# KiCad board CI01.kicad_pcb
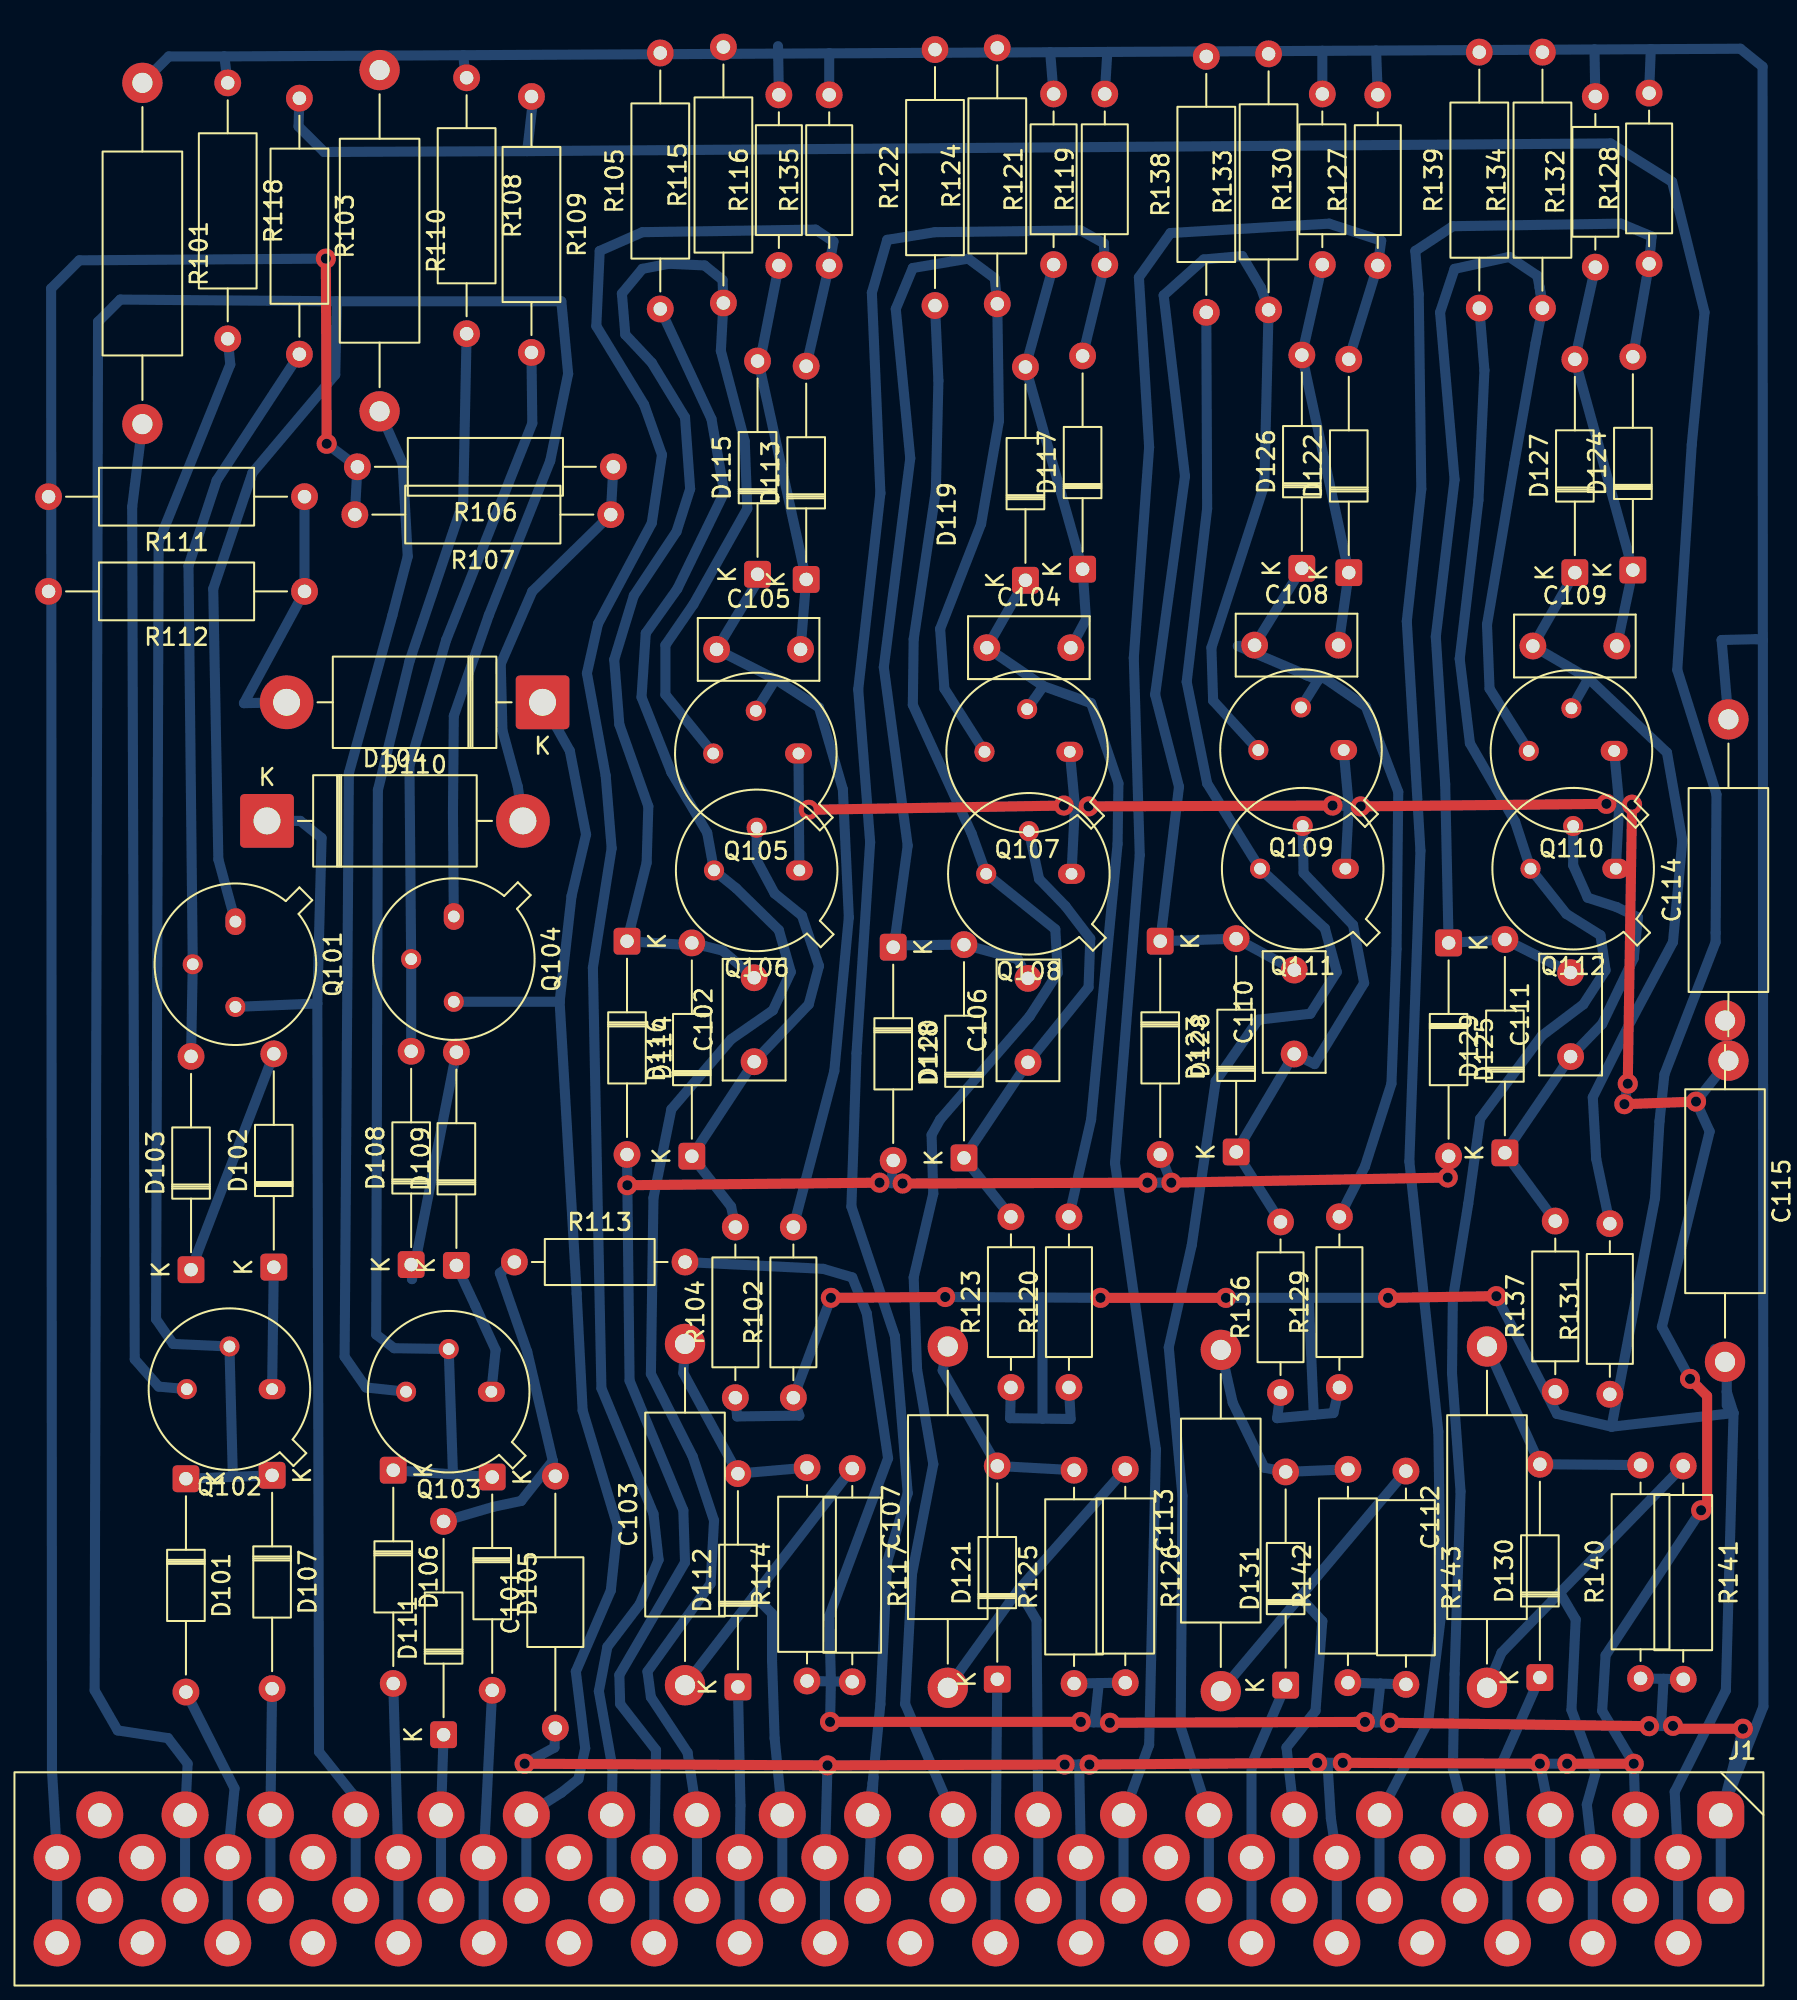
[diagram p0: board, top side]
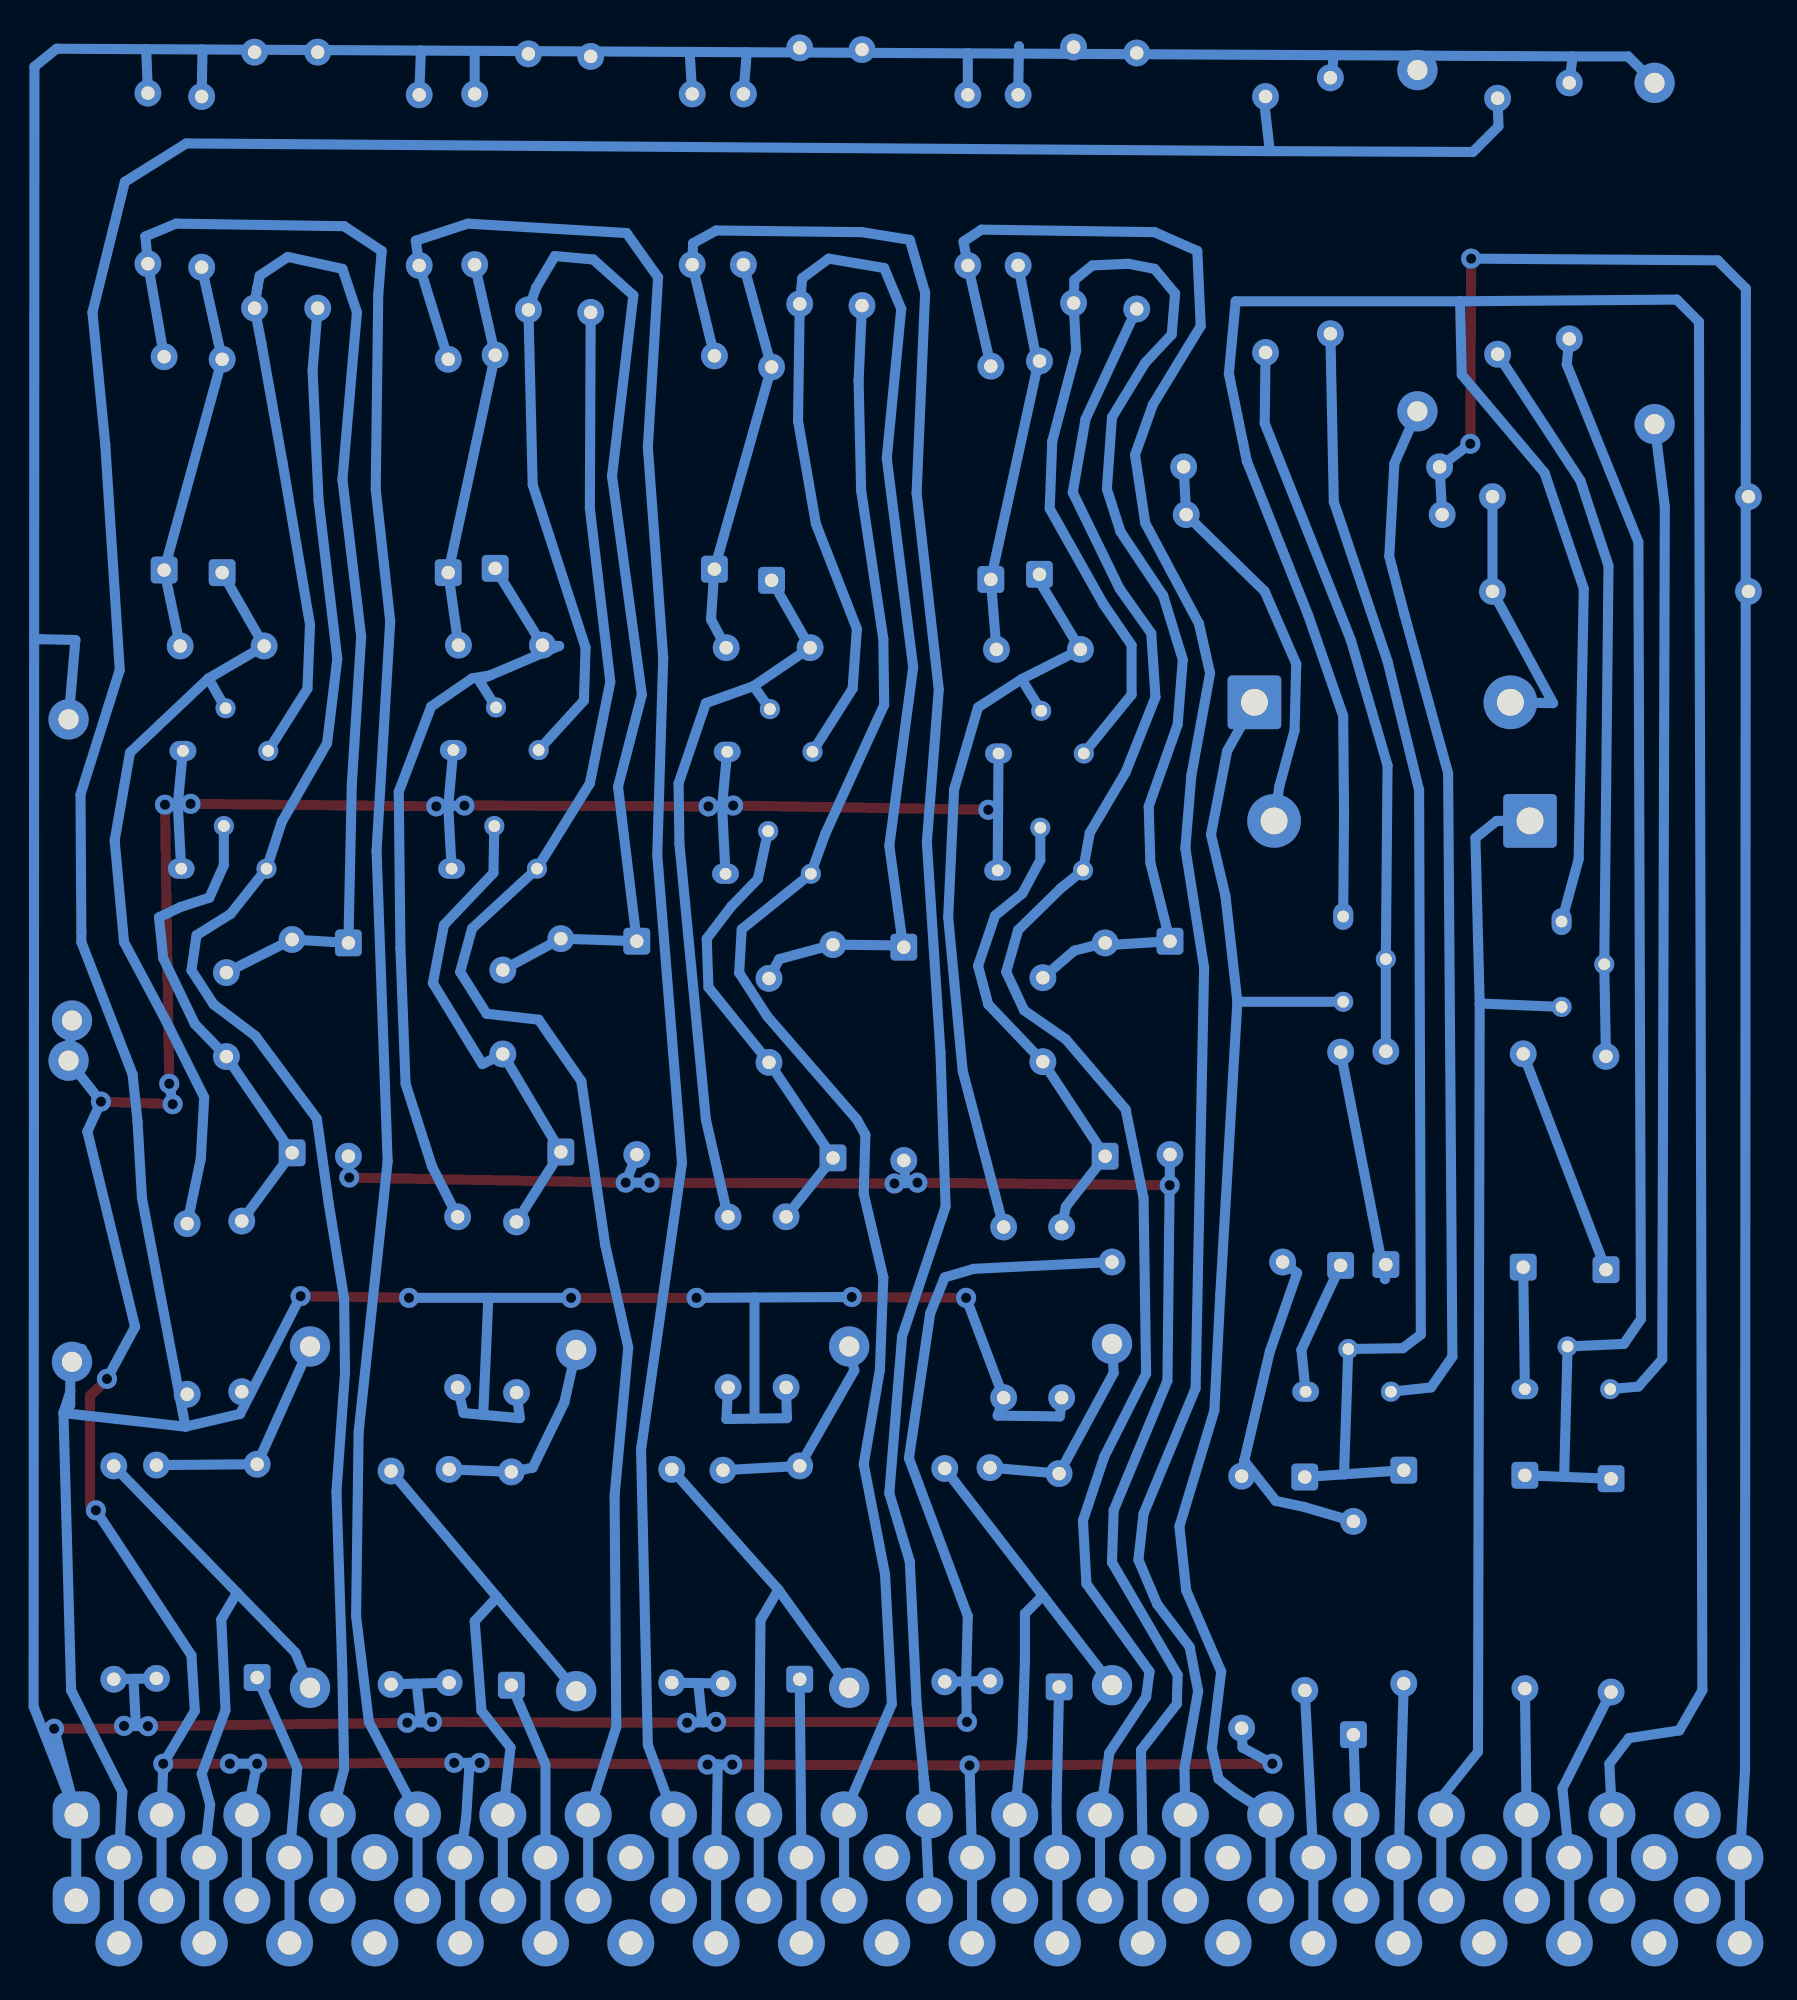
[diagram p1: board, bottom side, seen from below]

No outline. copper layers: Top, Bottom. Coordinates in mm from the lowest, leftmost part position.

## Placement (name value [footprint] x y rotation side)
C101  60u  [C_Axial_L5.1mm_D3.1mm_P15.00mm_Horizontal]  24.59 5.17 90 top
C102  ?  [C_Rect_L7.0mm_W3.5mm_P5.00mm]  36.42 44.85 90 top
C103  2.7nF  [R_Axial_DIN0414_L11.9mm_D4.5mm_P20.32mm_Horizontal]  32.31 7.72 90 top
C104  ?  [C_Rect_L7.0mm_W3.5mm_P5.00mm]  50.28 69.49 0 top
C105  ?  [C_Rect_L7.0mm_W3.5mm_P5.00mm]  34.19 69.39 0 top
C106  ?  [C_Rect_L7.0mm_W3.5mm_P5.00mm]  52.73 44.81 90 top
C107  2.7nF  [R_Axial_DIN0414_L11.9mm_D4.5mm_P20.32mm_Horizontal]  47.96 7.57 90 top
C108  ?  [C_Rect_L7.0mm_W3.5mm_P5.00mm]  66.22 69.65 0 top
C109  ?  [C_Rect_L7.0mm_W3.5mm_P5.00mm]  82.79 69.6 0 top
C110  ?  [C_Rect_L7.0mm_W3.5mm_P5.00mm]  68.58 45.3 90 top
C111  ?  [C_Rect_L7.0mm_W3.5mm_P5.00mm]  85.04 45.15 90 top
C112  2.7nF  [R_Axial_DIN0414_L11.9mm_D4.5mm_P20.32mm_Horizontal]  80.06 7.57 90 top
C113  2.7nF  [R_Axial_DIN0414_L11.9mm_D4.5mm_P20.32mm_Horizontal]  64.21 7.37 90 top
C114  100nF  [R_Axial_DIN0414_L11.9mm_D4.5mm_P20.32mm_Horizontal]  94.44 44.91 90 top
C115  100nF  [R_Axial_DIN0414_L11.9mm_D4.5mm_P20.32mm_Horizontal]  94.23 47.29 270 top
D101  ?  [D_DO-35_SOD27_P12.70mm_Horizontal]  2.59 20.02 270 top
D102  S1005  [D_DO-35_SOD27_P12.70mm_Horizontal]  7.82 32.61 90 top
D103  S1005  [D_DO-35_SOD27_P12.70mm_Horizontal]  2.9 32.46 90 top
D104  1N3639  [D_DO-201AD_P15.24mm_Horizontal]  7.42 59.18 0 top
D105  ?  [D_DO-35_SOD27_P12.70mm_Horizontal]  20.83 20.12 270 top
D106  ?  [D_DO-35_SOD27_P12.70mm_Horizontal]  14.94 20.52 270 top
D107  ?  [D_DO-35_SOD27_P12.70mm_Horizontal]  7.72 20.22 270 top
D108  S1005  [D_DO-35_SOD27_P12.70mm_Horizontal]  16 32.77 90 top
D109  S1005  [D_DO-35_SOD27_P12.70mm_Horizontal]  18.69 32.72 90 top
D110  1N3639  [D_DO-201AD_P15.24mm_Horizontal]  23.83 66.24 180 top
D111  ?  [D_DO-35_SOD27_P12.70mm_Horizontal]  17.93 4.78 90 top
D112  ?  [D_DO-35_SOD27_P12.70mm_Horizontal]  35.46 7.62 90 top
D113  ?  [D_DO-35_SOD27_P12.70mm_Horizontal]  39.52 73.56 90 top
D114  ?  [D_DO-35_SOD27_P12.70mm_Horizontal]  28.85 52.02 270 top
D115  5V2  [D_DO-35_SOD27_P12.70mm_Horizontal]  36.63 73.86 90 top
D116  5V2  [D_DO-35_SOD27_P12.70mm_Horizontal]  32.72 39.22 90 top
D117  ?  [D_DO-35_SOD27_P12.70mm_Horizontal]  55.98 74.17 90 top
D118  ?  [D_DO-35_SOD27_P12.70mm_Horizontal]  44.7 51.66 270 top
D119  5V2  [D_DO-35_SOD27_P12.70mm_Horizontal]  52.58 73.51 90 top
D120  5V2  [D_DO-35_SOD27_P12.70mm_Horizontal]  48.92 39.12 90 top
D121  ?  [D_DO-35_SOD27_P12.70mm_Horizontal]  50.9 8.08 90 top
D122  ?  [D_DO-35_SOD27_P12.70mm_Horizontal]  71.83 73.96 90 top
D123  ?  [D_DO-35_SOD27_P12.70mm_Horizontal]  60.6 52.02 270 top
D124  ?  [D_DO-35_SOD27_P12.70mm_Horizontal]  88.75 74.12 90 top
D125  ?  [D_DO-35_SOD27_P12.70mm_Horizontal]  77.77 51.92 270 top
D126  5V2  [D_DO-35_SOD27_P12.70mm_Horizontal]  69.04 74.22 90 top
D127  5V2  [D_DO-35_SOD27_P12.70mm_Horizontal]  85.29 73.96 90 top
D128  5V2  [D_DO-35_SOD27_P12.70mm_Horizontal]  65.13 39.47 90 top
D129  5V2  [D_DO-35_SOD27_P12.70mm_Horizontal]  81.13 39.42 90 top
D130  ?  [D_DO-35_SOD27_P12.70mm_Horizontal]  83.21 8.18 90 top
D131  ?  [D_DO-35_SOD27_P12.70mm_Horizontal]  68.07 7.72 90 top
J1  Conn_01x40  [ELCO 40]  93.98 0 0 top
Q101  2N1039  [TO-5-3]  5.54 53.19 270 top
Q102  2N1039  [TO-5-3]  7.72 25.35 180 top
Q103  2N1039  [TO-5-3]  20.78 25.2 180 top
Q104  2N1039  [TO-5-3]  18.54 53.49 270 top
Q105  2N1039  [TO-5-3]  39.07 63.2 180 top
Q106  2N1039  [TO-5-3]  39.12 56.24 180 top
Q107  2N1039  [TO-5-3]  55.22 63.3 180 top
Q108  2N1039  [TO-5-3]  55.32 56.03 180 top
Q109  2N1039  [TO-5-3]  71.53 63.4 180 top
Q110  2N1039  [TO-5-3]  87.63 63.35 180 top
Q111  2N1039  [TO-5-3]  71.63 56.34 180 top
Q112  2N1039  [TO-5-3]  87.73 56.34 180 top
R101  160R  [R_Axial_DIN0414_L11.9mm_D4.5mm_P20.32mm_Horizontal]  0 103.12 270 top
R102  39K  [R_Axial_DIN0207_L6.3mm_D2.5mm_P10.16mm_Horizontal]  38.76 24.84 90 top
R103  1K  [R_Axial_DIN0309_L9.0mm_D3.2mm_P15.24mm_Horizontal]  9.35 102.21 270 top
R104  39K  [R_Axial_DIN0207_L6.3mm_D2.5mm_P10.16mm_Horizontal]  35.31 24.84 90 top
R105  1K  [R_Axial_DIN0309_L9.0mm_D3.2mm_P15.24mm_Horizontal]  30.84 89.66 90 top
R106  22R  [R_Axial_DIN0309_L9.0mm_D3.2mm_P15.24mm_Horizontal]  28.04 80.26 180 top
R107  22R  [R_Axial_DIN0309_L9.0mm_D3.2mm_P15.24mm_Horizontal]  27.89 77.42 180 top
R108  5.1K  [R_Axial_DIN0309_L9.0mm_D3.2mm_P15.24mm_Horizontal]  19.3 103.43 270 top
R109  1K  [R_Axial_DIN0309_L9.0mm_D3.2mm_P15.24mm_Horizontal]  23.16 102.31 270 top
R110  160R  [R_Axial_DIN0414_L11.9mm_D4.5mm_P20.32mm_Horizontal]  14.12 103.89 270 top
R111  22R  [R_Axial_DIN0309_L9.0mm_D3.2mm_P15.24mm_Horizontal]  9.65 78.49 180 top
R112  22R  [R_Axial_DIN0309_L9.0mm_D3.2mm_P15.24mm_Horizontal]  9.65 72.85 180 top
R113  10Meg  [R_Axial_DIN0207_L6.3mm_D2.5mm_P10.16mm_Horizontal]  22.15 32.92 0 top
R114  10K  [R_Axial_DIN0309_L9.0mm_D3.2mm_P12.70mm_Horizontal]  39.57 7.98 90 top
R115  3.9K  [R_Axial_DIN0309_L9.0mm_D3.2mm_P15.24mm_Horizontal]  34.59 90.02 90 top
R116  5.1K  [R_Axial_DIN0207_L6.3mm_D2.5mm_P10.16mm_Horizontal]  37.9 92.25 90 top
R117  1Meg  [R_Axial_DIN0309_L9.0mm_D3.2mm_P12.70mm_Horizontal]  42.27 20.62 270 top
R118  5.1K  [R_Axial_DIN0309_L9.0mm_D3.2mm_P15.24mm_Horizontal]  5.08 103.12 270 top
R119  5.1K  [R_Axial_DIN0207_L6.3mm_D2.5mm_P10.16mm_Horizontal]  57.3 92.3 90 top
R120  39K  [R_Axial_DIN0207_L6.3mm_D2.5mm_P10.16mm_Horizontal]  55.17 25.45 90 top
R121  5.1K  [R_Axial_DIN0207_L6.3mm_D2.5mm_P10.16mm_Horizontal]  54.25 92.3 90 top
R122  3.9K  [R_Axial_DIN0309_L9.0mm_D3.2mm_P15.24mm_Horizontal]  47.19 89.87 90 top
R123  39K  [R_Axial_DIN0207_L6.3mm_D2.5mm_P10.16mm_Horizontal]  51.71 25.45 90 top
R124  1K  [R_Axial_DIN0309_L9.0mm_D3.2mm_P15.24mm_Horizontal]  50.9 89.97 90 top
R125  10K  [R_Axial_DIN0309_L9.0mm_D3.2mm_P12.70mm_Horizontal]  55.47 7.82 90 top
R126  1Meg  [R_Axial_DIN0309_L9.0mm_D3.2mm_P12.70mm_Horizontal]  58.52 20.57 270 top
R127  5.1K  [R_Axial_DIN0207_L6.3mm_D2.5mm_P10.16mm_Horizontal]  73.56 92.25 90 top
R128  5.1K  [R_Axial_DIN0207_L6.3mm_D2.5mm_P10.16mm_Horizontal]  89.71 92.35 90 top
R129  39K  [R_Axial_DIN0207_L6.3mm_D2.5mm_P10.16mm_Horizontal]  71.27 25.45 90 top
R130  5.1K  [R_Axial_DIN0207_L6.3mm_D2.5mm_P10.16mm_Horizontal]  70.26 92.3 90 top
R131  39K  [R_Axial_DIN0207_L6.3mm_D2.5mm_P10.16mm_Horizontal]  87.38 25.04 90 top
R132  5.1K  [R_Axial_DIN0207_L6.3mm_D2.5mm_P10.16mm_Horizontal]  86.51 92.15 90 top
R133  3.9K  [R_Axial_DIN0309_L9.0mm_D3.2mm_P15.24mm_Horizontal]  67.06 89.61 90 top
R134  1K  [R_Axial_DIN0309_L9.0mm_D3.2mm_P15.24mm_Horizontal]  83.36 89.71 90 top
R135  5.1K  [R_Axial_DIN0207_L6.3mm_D2.5mm_P10.16mm_Horizontal]  40.89 92.25 90 top
R136  39K  [R_Axial_DIN0207_L6.3mm_D2.5mm_P10.16mm_Horizontal]  67.77 25.15 90 top
R137  39K  [R_Axial_DIN0207_L6.3mm_D2.5mm_P10.16mm_Horizontal]  84.12 25.2 90 top
R138  1K  [R_Axial_DIN0309_L9.0mm_D3.2mm_P15.24mm_Horizontal]  63.35 89.46 90 top
R139  3.9K  [R_Axial_DIN0309_L9.0mm_D3.2mm_P15.24mm_Horizontal]  79.6 89.71 90 top
R140  10K  [R_Axial_DIN0309_L9.0mm_D3.2mm_P12.70mm_Horizontal]  89.2 8.13 90 top
R141  1Meg  [R_Axial_DIN0309_L9.0mm_D3.2mm_P12.70mm_Horizontal]  91.74 20.78 270 top
R142  10K  [R_Axial_DIN0309_L9.0mm_D3.2mm_P12.70mm_Horizontal]  71.78 7.87 90 top
R143  1Meg  [R_Axial_DIN0309_L9.0mm_D3.2mm_P12.70mm_Horizontal]  75.23 20.47 270 top

## Library data of the parts
C101-C115 = -: Description: Unpolarized capacitor; ki_fp_filters: C_*
D101-D114 D117 D118 D121-D125 D130 D131 = -: Datasheet: https://assets.nexperia.com/documents/data-sheet/1N4148_1N4448.pdf; Description: 100V 0.15A High-speed standard diode, DO-35; Sim.Device: D; Sim.Pins: 1=K 2=A; ki_fp_filters: D*DO?35*
D115 = -: Description: Zener diode; Sim.Device: D; Sim.Pins: 1=K 2=A; ki_fp_filters: TO-???* *_Diode_* *SingleDiode* D_*
D116 D119 D120 D126-D129 = -: Description: Zener diode; ki_fp_filters: TO-???* *_Diode_* *SingleDiode* D_*
J1 = -: Description: Generic connector, single row, 01x40, script generated (kicad-library-utils/schlib/autogen/connector/); ki_fp_filters: Connector*:*_1x??_*
Q101-Q112 = -: Description: PNP transistor, emitter/base/collector
R101-R143 = -: Description: Resistor; ki_fp_filters: R_*

## Footprints (pads in the part's own frame, mm; a bottom-side part is the same pattern mirrored in y, then rotated)
C_Axial_L5.1mm_D3.1mm_P15.00mm_Horizontal
  round 1.6 hole 0.8: 1(0,0) 2(15,0)
C_Rect_L7.0mm_W3.5mm_P5.00mm
  round 1.6 hole 0.8: 1(0,0) 2(5,0)
D_DO-35_SOD27_P12.70mm_Horizontal
  rrect 1.6x1.6 hole 0.8: 1(0,0)
  round 1.6 hole 0.8: 2(12.7,0)
D_DO-201AD_P15.24mm_Horizontal
  rrect 3.2x3.2 hole 1.6: 1(0,0)
  round 3.2 hole 1.6: 2(15.24,0)
ELCO 40
  rrect 2.8x2.8 hole 1.4: 1(0,0) 1(0,-5.08)
  round 2.8 hole 1.4: 2(-2.54,-2.54) 2(-2.54,-7.62) 3(-5.08,0) 3(-5.08,-5.08) 4(-7.62,-2.54) 4(-7.62,-7.62) 5(-10.16,0) 5(-10.16,-5.08) 6(-12.7,-2.54) 6(-12.7,-7.62) 7(-15.24,0) 7(-15.24,-5.08) 8(-17.78,-2.54) 8(-17.78,-7.62) 9(-20.32,0) 9(-20.32,-5.08) 10(-22.86,-2.54) 10(-22.86,-7.62) 11(-25.4,0) 11(-25.4,-5.08) 12(-27.94,-2.54) 12(-27.94,-7.62) 13(-30.48,0) 13(-30.48,-5.08) 14(-33.02,-2.54) 14(-33.02,-7.62) 15(-35.56,0) 15(-35.56,-5.08) 16(-38.1,-2.54) 16(-38.1,-7.62) 17(-40.64,0) 17(-40.64,-5.08) 18(-43.18,-2.54) 18(-43.18,-7.62) 19(-45.72,0) 19(-45.72,-5.08) 20(-48.26,-2.54) 20(-48.26,-7.62) 21(-50.8,0) 21(-50.8,-5.08) 22(-53.34,-2.54) 22(-53.34,-7.62) 23(-55.88,0) 23(-55.88,-5.08) 24(-58.42,-2.54) 24(-58.42,-7.62) 25(-60.96,0) 25(-60.96,-5.08) 26(-63.5,-2.54) 26(-63.5,-7.62) 27(-66.04,0) 27(-66.04,-5.08) 28(-68.58,-2.54) 28(-68.58,-7.62) 29(-71.12,0) 29(-71.12,-5.08) 30(-73.66,-2.54) 30(-73.66,-7.62) 31(-76.2,0) 31(-76.2,-5.08) 32(-78.74,-2.54) 32(-78.74,-7.62) 33(-81.28,0) 33(-81.28,-5.08) 34(-83.82,-2.54) 34(-83.82,-7.62) 35(-86.36,0) 35(-86.36,-5.08) 36(-88.9,-2.54) 36(-88.9,-7.62) 37(-91.44,0) 37(-91.44,-5.08) 38(-93.98,-2.54) 38(-93.98,-7.62) 39(-96.52,0) 39(-96.52,-5.08) 40(-99.06,-2.54) 40(-99.06,-7.62)
R_Axial_DIN0207_L6.3mm_D2.5mm_P10.16mm_Horizontal
  round 1.6 hole 0.8: 1(0,0) 2(10.16,0)
R_Axial_DIN0309_L9.0mm_D3.2mm_P12.70mm_Horizontal
  round 1.6 hole 0.8: 1(0,0) 2(12.7,0)
R_Axial_DIN0309_L9.0mm_D3.2mm_P15.24mm_Horizontal
  round 1.6 hole 0.8: 1(0,0) 2(15.24,0)
R_Axial_DIN0414_L11.9mm_D4.5mm_P20.32mm_Horizontal
  round 2.4 hole 1.2: 1(0,0) 2(20.32,0)
TO-5-3
  oval 1.6x1.2 hole 0.7: 1(0,0)
  round 1.2 hole 0.7: 2(2.54,-2.54) 3(5.08,0)

## Nets
+6V: C115.2 J1.2 R102.1 R103.1 R104.1 R109.1 R120.1 R123.1 R129.1 R131.1 R136.1 R137.1
-12V: C114.2 J1.1 R101.1 R105.2 R108.1 R110.1 R113.2 R114.1 R115.2 R116.2 R117.2 R118.1 R119.2 R121.2 R122.2 R124.2 R125.1 R126.2 R127.2 R128.2 R130.2 R132.2 R133.2 R134.2 R135.2 R138.2 R139.2 R140.1 R141.2 R142.1 R143.2
GND: C101.1 C114.1 C115.1 J1.3 J1.5 J1.10 J1.16 J1.22 Q105.1 Q106.1 Q107.1 Q108.1 Q109.1 Q110.1 Q111.1 Q112.1
P4: C112.1 J1.4 R141.1
P6: D130.1 J1.6
P7: J1.7 Q112.3 R139.1
P9: D124.2 J1.9 R128.1
P11: C113.1 J1.11 R143.1
P12: D131.1 J1.12
P13: J1.13 Q111.3 R138.1
P15: D122.2 J1.15 R127.1
P17: C107.1 J1.17 R126.1
P18: D121.1 J1.18
P19: J1.19 Q108.3 R122.1
P21: D117.2 J1.21 R119.1
P23: C103.1 J1.23 R117.1
P24: D112.1 J1.24
P25: J1.25 Q106.3 R105.1
P26: D114.2 D118.2 D123.2 D125.2 J1.26
P27: D113.2 J1.27 R135.1
P29: D110.1 J1.29 Q104.3
P30: D105.2 J1.30
P31: D111.1 J1.31
P32: D106.2 J1.32
P33: D104.1 J1.33 Q101.3
P35: D107.2 J1.35
P36: D101.2 J1.36
P37: J1.37 Q101.1 Q104.1
P40: J1.40 R106.2 R107.2 R111.2 R112.2
Net-(D101-K): D101.1 D107.1 Q102.2 R118.2
Net-(D102-A): D102.2 D103.1
Net-(D102-K): D102.1 Q102.1
Net-(D103-A): D103.2 Q101.2 R103.2
Net-(D104-A): D104.2 R106.1 R107.1
Net-(D105-K): D105.1 D106.1 Q103.2 R108.2
Net-(D108-A): D108.2 Q104.2 R109.2
Net-(D108-K): D108.1 D109.2
Net-(D109-K): D109.1 Q103.1
Net-(D110-A): D110.2 R111.1 R112.1
Net-(D111-A): C101.2 D111.2 R113.1
Net-(D112-A): C103.2 D112.2 R114.2
Net-(D113-K): C105.2 D113.1 D115.2 R116.1
Net-(D114-K): C102.2 D114.1 D116.2 Q105.3 R115.1
Net-(D115-K): C105.1 D115.1 Q105.2 R102.2
Net-(D116-K): C102.1 D116.1 Q106.2 R104.2
Net-(D117-K): C104.2 D117.1 D119.2 R121.1
Net-(D118-K): C106.2 D118.1 D120.2 Q107.3 R124.1
Net-(D119-K): C104.1 D119.1 Q107.2 R120.2
Net-(D120-K): C106.1 D120.1 Q108.2 R123.2
Net-(D121-A): C107.2 D121.2 R125.2
Net-(D122-K): C108.2 D122.1 D126.2 R130.1
Net-(D123-K): C110.2 D123.1 D128.2 Q109.3 R133.1
Net-(D124-K): C109.2 D124.1 D127.2 R132.1
Net-(D125-K): C111.2 D125.1 D129.2 Q110.3 R134.1
Net-(D126-K): C108.1 D126.1 Q109.2 R129.2
Net-(D127-K): C109.1 D127.1 Q110.2 R131.2
Net-(D128-K): C110.1 D128.1 Q111.2 R136.2
Net-(D129-K): C111.1 D129.1 Q112.2 R137.2
Net-(D130-A): C112.2 D130.2 R140.2
Net-(D131-A): C113.2 D131.2 R142.2
Net-(Q102-C): Q102.3 R101.2
Net-(Q103-C): Q103.3 R110.2

Pads without a net: J1 8 14 20 28 34 38 39

## Via types
v1: diameter 1.2, hole 0.6, Top to Bottom, 43 vias

## Routing (per net, layer and track width the routed paths; a pad name or vN(x,y) marks a point on that pad's centre or on a via; arc(x,y) is an arc through that point)
+6V: length 299.5
  Top w0.6: v1(74.17,30.78) v1(80.62,30.89) ; v1(41,30.78) v1(47.8,30.84) ; v1(57.05,30.78) v1(64.52,30.78)
  Bottom w0.6: 94.74,23.93 87.48,23.11 ; 94.74,23.93 94.28,7.42 91.24,1.37 J1.2 J1.2 ; 94.74,23.93 94.34,25.2 ; 87.48,23.11 84.23,23.88 v1(80.62,30.89) ; 87.48,23.11 90.07,36.73 90.33,41.3 90.63,44.09 93.68,51.97 93.68,52.53 93.73,60.76 91.39,68.17 92.25,81.58 93.01,89.46 91.08,97.23 87.43,99.52 22.91,99.06 ; 22.91,99.06 23.32,102.62 ; 22.91,99.06 10.82,99.01 9.3,100.53 R103.1 ; 93.62,27.74 94.34,26.16 94.34,25.2 ; v1(41,30.78) R102.1 39.12,23.77 35.41,23.72 R104.1 ; R129.1 70.92,23.93 69.75,23.82 ; R136.1 67.56,23.62 69.75,23.82 ; v1(64.52,30.78) 69.44,30.78 ; 69.44,30.78 69.75,23.82 ; 69.44,30.78 v1(74.17,30.78) ; 53.59,23.59 53.59,30.8 ; 53.59,23.59 55.27,23.57 R120.1 ; 53.59,23.59 51.66,23.62 R123.1 ; 53.59,30.8 v1(47.8,30.84) ; 53.59,30.8 v1(57.05,30.78) ; 94.34,25.2 94.34,24.38
-12V: length 356.8
  Top w0.6: v1(72.8,5.54) v1(57.61,5.49) ; v1(91.14,5.3) 91.31,5.13 v1(95.3,5.13) ; v1(55.88,5.54) v1(40.94,5.54) ; v1(89.71,5.28) v1(74.27,5.49)
  Bottom w0.6: R114.1 41,7.95 ; 41,7.95 v1(40.94,5.54) ; 41,7.95 40.89,11.84 44.4,21.23 43.13,29.87 42.27,32 40.54,32.51 R113.2 ; 41,7.95 R117.2 ; 4.88,104.7 14.48,104.75 ; 4.88,104.7 1.57,104.7 R101.1 ; 4.88,104.7 R118.1 ; 14.48,104.75 14.83,103.53 ; 14.48,104.75 19.1,104.77 ; 40.89,104.88 54.05,104.95 ; 40.89,104.88 34.7,104.85 ; 40.89,104.88 R135.2 ; 54.05,104.95 57.45,104.97 ; 54.05,104.95 R121.2 ; J1.1 96.52,6.45 96.49,69.95 ; J1.1 J1.1 ; J1.1 v1(95.3,5.13) ; 96.49,69.95 96.06,70 94.03,69.95 C114.2 ; 96.49,69.95 96.47,104.09 95.15,105.16 89.81,105.13 ; R140.1 90.58,8.1 ; 90.58,8.1 90.42,5.29 ; 90.58,8.1 R141.2 ; 56.95,7.85 R125.1 ; 56.95,7.85 R126.2 ; 56.95,7.85 56.74,5.89 56.64,5.51 ; R142.1 73.71,7.82 ; 73.71,7.82 73.46,5.51 ; 73.71,7.82 R143.2 ; 73.46,105.05 R127.2 ; 73.46,105.05 86.46,105.11 ; 73.46,105.05 70.26,105.03 ; 19.1,104.77 34.7,104.85 ; 19.1,104.77 19.3,102.92 ; 34.7,104.85 R115.2 ; R119.2 57.45,104.97 ; 57.45,104.97 70.26,105.03 ; 37.85,105.31 R116.2 ; 90.42,5.29 v1(89.71,5.28) ; 90.42,5.29 v1(91.14,5.3) ; v1(57.61,5.49) 56.64,5.51 ; 56.64,5.51 v1(55.88,5.54) ; 73.46,5.51 v1(72.8,5.54) ; 73.46,5.51 v1(74.27,5.49) ; 86.46,105.11 89.81,105.13 ; 86.46,105.11 R132.2 ; 89.81,105.13 R128.2 ; 70.26,105.03 R130.2
GND: length 266.2
  Top w0.6: v1(54.91,3) v1(40.79,2.95) v1(22.76,3.05) ; v1(88.7,60.15) v1(88.44,43.54) ; v1(88.24,42.32) v1(92.51,42.47) ; v1(72.54,60.05) v1(87.17,60.2) ; v1(71.48,3.1) v1(83.21,3.05) ; v1(39.67,59.84) v1(54.86,60.1) ; v1(56.34,60.05) v1(70.87,60.1) ; v1(92.81,18.14) 93.17,18.49 93.17,24.94 v1(92.15,25.96) ; v1(56.39,3) v1(69.95,3.1) ; v1(84.84,3.05) v1(88.8,3.05)
  Bottom w0.6: Q111.1 71.83,60.07 ; 71.83,60.07 v1(70.87,60.1) ; 71.83,60.07 v1(72.54,60.05) ; 71.83,60.07 Q109.1 ; J1.22 J1.22 v1(40.79,2.95) ; J1.10 J1.10 70.76,-0.2 70.56,3.1 ; Q110.1 87.93,60.17 ; 87.93,60.17 v1(87.17,60.2) ; 87.93,60.17 Q112.1 ; 87.93,60.17 v1(88.7,60.15) ; Q108.1 55.52,60.07 ; 55.52,60.07 v1(54.86,60.1) ; 55.52,60.07 v1(56.34,60.05) ; 55.52,60.07 Q107.1 ; 70.56,3.1 v1(71.48,3.1) ; 70.56,3.1 v1(69.95,3.1) ; Q105.1 39.09,59.89 ; 39.09,59.89 Q106.1 ; 39.09,59.89 v1(39.67,59.84) ; C115.1 C114.1 v1(92.51,42.47) 93.32,40.69 90.47,29.06 v1(92.15,25.96) ; v1(22.76,3.05) 24.54,4.01 C101.1 ; J1.5 J1.5 v1(83.21,3.05) v1(84.84,3.05) ; 55.78,3 v1(56.39,3) ; 55.78,3 v1(54.91,3) ; 55.78,3 J1.16 J1.16 ; v1(88.44,43.54) v1(88.24,42.32) ; v1(92.81,18.14) 87.12,9.5 86.92,6.2 v1(88.8,3.05) J1.3 J1.3
P4: length 39.2
  Bottom w0.6: J1.4 J1.4 86,0.61 86.51,2.44 85.09,6.25 85.34,11.63 84.41,13.23 ; C112.1 80.92,9.65 84.41,13.23 ; 84.41,13.23 R141.1
P6: length 16.3
  Bottom w0.6: J1.6 J1.6 80.82,2.79 D130.1
P7: length 100.8
  Bottom w0.6: J1.7 J1.7 78.03,2.74 78.13,8.38 78.49,19.25 77.98,26.31 78.03,30.73 78.94,36.37 79.65,41.45 83.31,46.38 85.8,48.26 87.12,50.29 86.82,52.37 84.79,53.64 Q112.3 81.74,59.13 79.04,63.8 78.44,68.83 79.55,78.28 79.91,86 R139.1
P9: length 121.1
  Bottom w0.6: D124.2 R128.1 89.87,93.98 88.04,94.74 78.03,94.59 75.79,93.12 76,90.53 76.15,78.94 75.29,71.07 76.1,57.4 75.44,38.91 77.17,22.81 77.32,11.84 76.56,5.54 J1.9 J1.9
P11: length 36.3
  Bottom w0.6: J1.11 J1.11 68.12,4.01 69.85,6.2 70.26,11.53 68.92,12.97 ; C113.1 68.92,12.97 ; 68.92,12.97 R143.1
P12: length 15.8
  Bottom w0.6: J1.12 J1.12 66.04,3 D131.1
P13: length 102
  Bottom w0.6: J1.13 J1.13 61.82,5.23 61.93,19 61.11,27.84 62.48,33.93 63.91,43.69 66.45,47.35 69.55,47.7 71.12,50.19 70.41,52.78 Q111.3 63.4,61.42 62.18,67.46 63.4,77.77 R138.1
P15: length 120.5
  Bottom w0.6: J1.15 J1.15 59.94,4.17 60.35,21.74 57.91,38.81 59.39,57.15 59.03,68.88 59.94,81.43 59.33,91.54 61.21,94.18 70.66,94.74 73.76,93.73 R127.1 D122.2
P17: length 35.6
  Bottom w0.6: 52.17,13.41 R126.1 ; 52.17,13.41 C107.1 ; 52.17,13.41 53.24,11.58 J1.17 J1.17
P18: length 15.7
  Bottom w0.6: J1.18 J1.18 D121.1
P19: length 101.5
  Bottom w0.6: R122.1 47.4,85.39 47.24,78.84 45.92,70 45.87,66.09 49.38,58.42 Q108.3 54.36,52.73 54.51,50.14 52.83,47.55 47.5,41.4 46.99,40.49 47.09,36.98 45.92,32 46.13,26.52 47.09,20.88 45.82,14.33 45.42,6.6 J1.19 J1.19
P21: length 122.4
  Bottom w0.6: 43.48,1.88 43.94,6.6 44.35,15.09 45.57,19.15 44.81,28.5 42.21,36.22 42.52,45.36 43.33,57.91 42.62,67.01 43.94,78.69 43.43,90.63 44.35,93.78 47.19,94.23 55.88,94.34 57.25,93.57 R119.1 D117.2 ; 43.48,1.88 J1.21 ; 43.48,1.88 43.54,2.24 J1.21
P23: length 34.9
  Bottom w0.6: R117.1 36.42,13.05 ; 36.42,13.05 C103.1 ; 36.42,13.05 37.49,11.99 37.49,9.19 37.64,4.57 J1.23 J1.23
P24: length 15.2
  Bottom w0.6: J1.24 J1.24 35.61,0.56 D112.1
P25: length 105.2
  Bottom w0.6: R105.1 33.88,83.11 34.65,78.74 31.85,73 29.97,70.36 29.72,66.55 31.5,62.08 33.63,58.47 Q106.3 35.36,55.17 37.9,52.68 38.61,50.19 37.54,47.9 35.05,46.18 31.5,42.01 30.43,36.73 30.28,26.26 32.77,21.34 34.04,17.53 33.83,13.77 30.07,8.53 30.28,7.01 32.46,3.71 J1.25 J1.25
P26: length 102.6
  Top w0.6: v1(45.26,37.59) v1(59.84,37.64) ; v1(28.88,37.49) v1(43.89,37.64) ; v1(61.26,37.64) v1(77.72,37.95)
  Bottom w0.6: D123.2 v1(61.26,37.64) v1(59.84,37.64) ; D114.2 29.01,25.86 32.21,18.14 32.31,15.04 28.4,8.33 28.45,6.6 30.58,3.86 J1.26 J1.26 ; D125.2 v1(77.72,37.95) ; 44.6,37.62 v1(45.26,37.59) ; 44.6,37.62 D118.2 ; 44.6,37.62 v1(43.89,37.64)
P27: length 123.9
  Bottom w0.6: D113.2 R135.1 41.15,93.68 40.08,94.39 29.77,94.23 27.23,93.12 27.03,88.65 29.87,83.97 30.94,80.98 30.33,76.91 27.13,70.92 26.47,67.97 27.58,61.87 27.94,57.56 26.82,50.44 27.33,25.4 30.43,17.93 30.73,15.19 29.62,12.55 27.69,10.01 27.18,7.37 27.99,2.79 J1.27 J1.27
P29: length 80.8
  Bottom w0.6: D110.1 25.45,63.35 26.42,58.37 25.55,54.71 24.84,48.41 ; 24.84,48.41 Q104.3 ; 24.84,48.41 25.86,31.04 26.21,24.08 28.3,17.17 27.89,13.36 25.81,8.53 26.37,3.96 25.96,2.13 24.94,1.32 J1.29 J1.29
P30: length 15
  Bottom w0.6: J1.30 J1.30 D105.2
P31: length 9.9
  Bottom w0.6: J1.31 J1.31 D111.1
P32: length 15.4
  Bottom w0.6: J1.32 J1.32 D106.2
P33: length 72.4
  Bottom w0.6: J1.33 J1.33 12.5,1.27 10.52,3.76 10.41,48.31 ; 10.41,48.31 10.67,58.17 9.4,59.18 D104.1 ; 10.41,48.31 Q101.3
P35: length 12.6
  Bottom w0.6: D107.2 J1.35 J1.35
P36: length 15.6
  Bottom w0.6: D101.2 5.49,1.57 J1.36 J1.36
P37: length 202.5
  Bottom w0.6: 11.58,90.12 -1.32,90.22 -2.64,88.9 -2.84,7.42 -1.47,5.03 1.52,4.57 2.69,3.05 J1.37 J1.37 ; 11.58,90.12 11.48,85.75 6.55,79.91 4.22,73 4.52,56.9 Q101.1 ; 11.58,90.12 24.94,90.12 25.35,85.8 24.28,80.62 20.62,71.42 18.54,65.43 18.49,59.69 Q104.1
P40: length 131.7
  Top w0.6: v1(10.97,81.64) v1(10.92,92.66)
  Bottom w0.6: R107.2 R106.2 v1(10.97,81.64) ; J1.40 J1.40 -5.38,2.64 -5.44,90.88 -3.76,92.56 v1(10.92,92.66)
Net-(D101-K): length 77.3
  Bottom w0.6: 5.38,20.13 D107.1 ; 5.38,20.13 Q102.2 1.83,28.04 0.81,29.51 0.97,75.79 5.23,86.36 R118.2 ; 5.38,20.13 D101.1
Net-(D102-A): length 13.8
  Bottom w0.6: D103.1 D102.2
Net-(D102-K): length 7.3
  Bottom w0.6: Q102.1 D102.1
Net-(D103-A): length 43.6
  Bottom w0.6: D103.2 Q101.2 2.74,74.37 4.42,79.45 R103.2
Net-(D104-A): length 23.6
  Bottom w0.6: R106.1 R107.1 23.22,72.85 21.34,68.53 21.44,64.57 22.35,61.21 D104.2
Net-(D105-K): length 78.3
  Bottom w0.6: 18.49,20.28 Q103.2 14.99,27.79 13.92,28.6 14.02,61.01 15.9,68.68 19.1,78.18 R108.2 ; 18.49,20.28 D105.1 ; 18.49,20.28 D106.1
Net-(D108-A): length 42.9
  Bottom w0.6: D108.2 Q104.2 15.9,62.48 18.08,69.95 23.22,82.85 R109.2
Net-(D108-K): length 14.6
  Bottom w0.6: D108.1 16.05,31.9 D109.2
Net-(D109-K): length 8
  Bottom w0.6: Q103.1 21.03,27.69 19.81,30.33 D109.1
Net-(D110-A): length 15.7
  Bottom w0.6: D110.2 6.05,66.19 R112.1 R111.1
Net-(D111-A): length 21.5
  Bottom w0.6: 24.43,21.08 22.91,27.58 21.29,32.26 R113.1 ; 24.43,21.08 22.56,18.69 20.88,18.34 D111.2 ; 24.43,21.08 C101.2
Net-(D112-A): length 12.7
  Bottom w0.6: R114.2 D112.2 32.21,26.31 C103.2
Net-(D113-K): length 23.3
  Bottom w0.6: R116.1 36.73,86.31 D113.1 C105.2
Net-(D114-K): length 88.1
  Bottom w0.6: C102.2 34.54,51.46 33.48,51.73 ; 33.48,51.73 D114.1 30.02,56.69 30.12,60.05 28.4,64.92 28.09,68.78 29.26,72.59 31.8,76.4 32.61,78.94 32.31,83.21 30.33,86.46 28.75,88.14 28.55,90.58 29.77,92.05 31.34,92.35 33.48,92.25 34.54,91.39 R115.1 34.44,87.17 35.86,81.79 36.02,77.77 32.82,72.09 31.14,69.65 31.14,66.7 Q105.3 ; 33.48,51.73 D116.2
Net-(D115-K): length 45.7
  Bottom w0.6: 37.69,67.61 40.28,65.94 41.71,61.06 42.06,53.44 41.2,44.3 R102.2 ; 37.69,67.61 C105.1 36.73,73.61 ; 37.69,67.61 Q105.2
Net-(D116-K): length 28.3
  Bottom w0.6: Q106.2 36.58,56.85 37.64,54.86 39.27,53.54 40.28,50.55 39.67,48.26 C102.1 D116.1 35.05,36.22 R104.2
Net-(D117-K): length 23.7
  Bottom w0.6: C104.2 56.18,71.17 D117.1 D119.2 R121.1
Net-(D118-K): length 84.4
  Bottom w0.6: Q107.3 47.75,67.06 47.5,70.61 49.94,76.86 51,83.01 R124.1 50.75,91.49 49.17,92.66 45.87,92.1 44.86,89.66 45.72,80.77 44.15,68.33 45.57,57.71 44.75,51.77 D120.2 52.12,50.95 C106.2
Net-(D119-K): length 44.5
  Bottom w0.6: Q107.2 53.64,67.21 ; 53.64,67.21 C104.1 D119.1 ; 53.64,67.21 56.49,66.19 58.12,61.42 58.06,57.81 56.49,41.4 R120.2
Net-(D120-K): length 27.6
  Bottom w0.6: R123.2 D120.1 C106.1 56.34,49.28 56.44,52.17 54.97,54.1 53.39,55.73 Q108.2
Net-(D121-A): length 12.6
  Bottom w0.6: R125.2 D121.2 47.65,26.47 C107.2
Net-(D122-K): length 23.1
  Bottom w0.6: C108.2 D122.1 D126.2 R130.1
Net-(D123-K): length 84.2
  Bottom w0.6: C110.2 D128.2 D123.1 61.72,61.21 60.3,66.7 62.08,79.71 60.81,90.47 63.2,92.61 65.48,92.81 66.6,90.93 R133.1 66.8,79.2 63.65,69.49 63.75,66.34 Q109.3
Net-(D124-K): length 23.3
  Bottom w0.6: C109.2 D124.1 D127.2 R132.1
Net-(D125-K): length 83.9
  Bottom w0.6: 83.41,89.81 83.2,90.93 ; 83.2,90.93 83.06,91.64 81.38,92.76 78.13,92.05 77.27,89.46 78.13,79.5 77.01,70.15 77.57,61.37 D125.1 D129.2 C111.2 ; 83.2,90.93 R134.1 82.96,87.63 81.69,80.47 80.06,70.87 80.21,67.06 Q110.3
Net-(D126-K): length 48.9
  Bottom w0.6: D126.1 C108.1 65.23,69.6 69.33,67.85 ; 69.33,67.85 70,67.56 Q109.2 ; 69.33,67.85 70.41,67.67 72.85,65.99 74.78,60.91 74.68,51.56 74.37,43.54 72.8,38.61 R129.2
Net-(D127-K): length 46.7
  Bottom w0.6: 86.11,67.67 C109.1 D127.1 ; 86.11,67.67 Q110.2 ; 86.11,67.67 90.78,63.25 91.69,58.01 91.14,51.97 88.65,47.29 86.36,42.72 86.56,39.07 R131.2
Net-(D128-K): length 29.3
  Bottom w0.6: Q111.2 69.14,56.08 72.09,52.98 72.75,49.53 69.8,44.7 C110.1 D128.1 R136.2
Net-(D129-K): length 29.2
  Bottom w0.6: R137.2 D129.1 C111.1 86.92,47.09 88.8,51 89.05,53.44 87.78,54.05 86.06,54.61 85.19,56.54 Q112.2
Net-(D130-A): length 13.7
  Bottom w0.6: R140.2 D130.2 C112.2
Net-(D131-A): length 12.5
  Bottom w0.6: C113.2 64.92,24.54 66.8,20.68 D131.2 R142.2
Net-(Q102-C): length 59.6
  Bottom w0.6: R101.2 -0.61,77.88 -0.46,27.13 0.97,25.5 Q102.3
Net-(Q103-C): length 61.7
  Bottom w0.6: Q103.3 13.31,25.45 12.04,27.28 12.29,62.03 14.88,71.42 15.8,74.93 15.49,80.47 R110.2
